# KiCad board fairyboard.kicad_pcb (continued)
## Routing (per net, layer and track width the routed paths; a pad name or vN(x,y) marks a point on that pad's centre or on a via; arc(x,y) is an arc through that point) (continued)
  Bottom w0.25: S58.2 70.73,34.95 arc(71.12,35.31) 71.35,35.79 S18.1 75.07,50.73 arc(75.1,51.26) 74.92,51.76 72.87,55.18 arc(72.69,55.68) 72.71,56.21 76.47,71.26 arc(76.49,71.79) 76.31,72.29 75.44,73.74 arc(75.09,74.13) 74.61,74.36 67.89,76.03 arc(67.41,76.26) 67.05,76.65 62.84,83.66 arc(62.78,84.04) 63.01,84.35 63.54,84.67 arc(63.93,85.03) 64.16,85.51 S10.1 67.91,100.54 arc(67.93,101.07) 67.76,101.57 67.44,102.1 arc(67.38,102.48) 67.61,102.78 68.14,103.1 arc(68.53,103.46) 68.76,103.94 S11.1 76.06,112.07 arc(76.56,112.25) 77.09,112.23 119.01,101.77 arc(119.53,101.57) 119.98,101.23 125.79,95.42 arc(126.23,95.13) 126.75,95.02 130.82,95.02 arc(131.34,94.92) 131.78,94.62 133.07,93.34 arc(133.36,92.9) 133.47,92.37 133.47,91.58 arc(133.57,91.05) 133.86,90.61 143.05,81.43 arc(143.49,81.13) 144.01,81.03 NOREF.7 ; v1(167.66,88.99) 167.22,89.42 arc(166.78,89.72) 166.26,89.82 153.98,89.82 arc(153.46,89.72) 153.02,89.42 v1(148.95,85.35) ; S34.1 208.01,101.04 arc(208.37,101.44) 208.85,101.66 S31.1 222.98,100.51 arc(223.01,99.98) 222.83,99.48 S71.2 224.9,87.89 arc(225.13,87.41) 225.52,87.06 S30.1 227.58,82.08 arc(227.6,81.55) 227.43,81.05 S70.2 225.52,77.87 arc(225.34,77.37) 225.36,76.84 231.09,53.86 arc(231.12,53.33) 230.94,52.83 225.6,43.94 arc(225.24,43.55) 224.76,43.32 223.51,43.01 arc(223.03,42.78) 222.68,42.39 S38.1 220.39,32.36 arc(220.42,31.83) 220.24,31.33 S78.2 ; S34.1 202.02,97.05 arc(201.52,97.23) 200.99,97.2 v1(193.02,95.21) ; S34.1 205.76,91.06 arc(205.78,90.53) 205.6,90.03 S74.2
COL5: length 293.4
  Top w0.25: NOREF.8 145.76,79.12 arc(146.2,79.42) 146.72,79.52 157.39,79.52 arc(157.48,79.5) 157.55,79.45 v1(157.62,79.39)
  Bottom w0.25: S59.2 90.61,29.08 arc(91.09,29.31) 91.45,29.7 S19.1 89.19,41.34 arc(88.83,41.73) 88.35,41.96 82.24,43.49 arc(81.76,43.71) 81.4,44.1 75.19,54.45 arc(75.01,54.95) 75.03,55.48 75.08,55.66 arc(75.3,56.14) 75.69,56.5 76.17,56.78 arc(76.56,57.14) 76.79,57.62 77.75,61.48 arc(77.78,62.01) 77.6,62.51 77.31,62.98 arc(77.13,63.48) 77.16,64.01 79.67,74.1 arc(79.9,74.58) 80.29,74.93 80.77,75.22 arc(81.16,75.58) 81.39,76.06 82.35,79.91 arc(82.37,80.44) 82.19,80.94 81.91,81.42 arc(81.73,81.92) 81.75,82.45 84.27,92.53 arc(84.5,93.01) 84.89,93.37 85.36,93.66 arc(85.76,94.01) 85.98,94.49 S14.1 97.69,105.27 arc(98.19,105.45) 98.72,105.42 117.24,100.8 arc(117.76,100.6) 118.2,100.26 123.49,94.97 arc(123.93,94.68) 124.45,94.57 130.63,94.57 arc(131.15,94.47) 131.59,94.17 132.62,93.15 arc(132.91,92.71) 133.02,92.19 133.02,91.16 arc(133.12,90.64) 133.41,90.2 NOREF.8 ; 201.66,20.42 201.91,21.43 arc(201.94,21.97) 201.76,22.47 S39.1 199.29,27.17 arc(199.26,27.7) 199.44,28.2 205.71,38.63 arc(206.06,39.03) 206.54,39.25 216.28,41.68 arc(216.76,41.91) 217.12,42.3 217.82,43.47 arc(218,43.97) 217.98,44.5 216.51,50.36 arc(216.29,50.84) 215.89,51.2 S72.2 214.8,53.16 arc(214.98,53.66) 214.95,54.19 S32.1 212.89,59.17 arc(212.5,59.53) 212.27,60.01 S73.2 210.2,71.6 arc(210.38,72.1) 210.35,72.63 S33.1 206.85,78.48 arc(206.35,78.66) 205.82,78.63 189.41,74.54 arc(189.19,74.45) 188.99,74.3 arc(188.8,74.17) 188.57,74.13 164.41,74.13 arc(163.89,74.23) 163.45,74.53 161.14,76.83 arc(160.76,77.08) 160.32,77.17 arc(159.87,77.26) 159.49,77.52 v1(157.62,79.39)
COL6: length 261
  Top w0.25: v1(148.99,75.59) 148.81,75.77 arc(148.61,75.9) 148.37,75.95 NOREF.9 142.9,75.95 arc(142.38,76.05) 141.94,76.35 v1(137.29,81) ; v1(158.93,74.51) 150.64,74.51 arc(150.55,74.49) 150.47,74.44 v1(150.4,74.37)
  Bottom w0.25: S60.2 108.16,17.84 arc(108.68,17.93) 109.13,18.2 S20.1 113.36,24.96 arc(113.35,25.44) 113.09,25.85 98.25,39.08 arc(98.24,39.1) 98.24,39.13 arc(98.24,39.16) 98.23,39.18 S55.2 93.54,51.16 arc(93.76,51.64) 94.15,52 94.63,52.29 arc(95.02,52.64) 95.25,53.12 95.34,53.48 arc(95.37,54.01) 95.19,54.51 94.9,54.99 arc(94.72,55.49) 94.75,56.02 97.26,66.1 arc(97.49,66.58) 97.88,66.94 98.36,67.23 arc(98.75,67.58) 98.98,68.06 S16.1 102.72,83.1 arc(102.75,83.63) 102.57,84.13 102.25,84.66 arc(102.19,85.04) 102.42,85.34 102.95,85.66 arc(103.35,86.02) 103.57,86.5 S17.1 105.28,93.35 arc(105.51,93.83) 105.9,94.18 110.23,96.79 arc(110.73,96.97) 111.26,96.94 123.28,93.95 arc(123.8,93.74) 124.24,93.4 136.42,81.23 arc(136.67,81.06) 136.97,81 v1(137.29,81) ; v1(150.4,74.37) 150.31,74.37 arc(150.22,74.38) 150.14,74.43 v1(148.99,75.59) ; v1(158.93,74.51) 159.02,74.6 arc(159.12,74.66) 159.23,74.68 160.58,74.68 arc(161.1,74.58) 161.55,74.29 165.36,70.47 arc(165.8,70.17) 166.32,70.07 190.07,70.07 arc(190.59,69.97) 191.03,69.67 S36.1 192.76,64.64 arc(192.79,64.11) 192.61,63.61 S76.2 194.68,52.02 arc(194.91,51.54) 195.3,51.18 S35.1 197.36,46.2 arc(197.39,45.67) 197.21,45.17 S75.2 198.15,38.12 arc(198.15,37.62) 197.92,37.16 188.05,25.66 arc(187.69,25.21) 187.37,24.72 182.41,16.47 arc(182.23,15.97) 182.26,15.44 S40.1 186.7,7.84 arc(187.01,7.41) 187.13,6.89 S80.2
D0: length 64.9
  Top w0.25: NOREF.23 157.02,95.47 arc(156.73,95.03) 156.63,94.51 v1(156.63,81.1)
  Bottom w0.25: v1(156.63,81.1) 156.62,81.1 arc(156.62,81.1) 156.62,81.1 156.62,71.37 156.62,70.37 156.62,68.39 arc(156.73,67.87) 157.02,67.43 157.47,66.98 arc(157.62,66.63) 157.47,66.28 155.28,64.08 arc(154.83,63.79) 154.31,63.68 142.83,63.68 arc(142.31,63.79) 141.87,64.08 141.33,64.62 arc(140.89,64.91) 140.37,65.02 131.55,65.02 arc(131.37,64.98) 131.22,64.88 arc(131.09,64.83) 130.95,64.88 TERMINAL1.4
D1: length 50.1
  Top w0.25: v1(140.83,78.88) 140.83,90.53 arc(140.93,91.05) 141.22,91.49 141.7,91.96 arc(142.14,92.26) 142.66,92.36 153.18,92.36 arc(153.71,92.47) 154.15,92.76 v1(155.61,94.22) ; v1(139.01,77.83) 139.03,77.81 arc(139.04,77.78) 139.05,77.76 v1(139.05,76.09) ; TERMINAL1.5 138.88,73.76 arc(138.91,73.78) 138.95,73.79 v1(138.99,73.79)
  Bottom w0.25: NOREF.22 158.72,94.62 arc(158.28,94.33) 157.75,94.22 v1(155.61,94.22) ; v1(140.83,78.88) 140.04,78.1 arc(139.74,77.9) 139.39,77.83 v1(139.01,77.83) ; v1(139.05,76.09) 139.02,76.06 arc(138.99,76.03) 138.99,75.99 v1(138.99,73.79)
D2: length 41.4
  Top w0.25: DISP1.1 146.84,65.8 arc(146.4,65.51) 145.88,65.4 136.07,65.4 arc(135.55,65.51) 135.11,65.8 TERMINAL1.6
  Bottom w0.25: NOREF.19 151.94,80.23 arc(151.65,79.78) 151.54,79.26 151.54,71.07 arc(151.44,70.55) 151.15,70.11 DISP1.1
D3: length 38.6
  Top w0.25: v1(138.14,68.38) 136.98,67.23 arc(136.87,67.06) 136.82,66.85 TERMINAL1.7 ; DISP1.2 148.86,67.97 arc(148.42,68.27) 147.9,68.37 v1(145.05,68.37)
  Bottom w0.25: DISP1.2 153.69,70.11 arc(153.98,70.55) 154.08,71.07 154.08,79.26 arc(154.19,79.78) 154.48,80.23 NOREF.18 ; v1(138.14,68.38) 145.03,68.38 arc(145.04,68.38) 145.04,68.38 v1(145.05,68.37)
D4: length 30
  Top w0.25: TERMINAL1.8 139.36,67.34 arc(139.47,67.86) 139.76,68.3 143.3,71.83 arc(143.74,72.13) 144.26,72.23 146.24,72.23 arc(146.76,72.34) 147.21,72.63 152.7,78.13 arc(153.14,78.42) 153.66,78.52 157.54,78.52 arc(158.06,78.63) 158.51,78.92 158.79,79.21 arc(159.09,79.65) 159.19,80.17 159.19,81.83 arc(159.29,82.35) 159.59,82.79 NOREF.17
D5: length 16.6
  Bottom w0.25: NOREF.24 NOREF.27 158.9,69.79 arc(159.34,69.5) 159.86,69.39 160.26,69.39 arc(160.78,69.5) 161.23,69.79 161.46,70.03 arc(161.9,70.32) 162.42,70.43 163.3,70.43 arc(163.82,70.32) 164.26,70.03 165.79,68.5 arc(166.08,68.06) 166.18,67.54 TERMINAL2.1
D6: length 20.8
  Top w0.25: NOREF.28 156.37,69.78 arc(156.81,69.49) 157.33,69.38 160.32,69.38 arc(160.72,69.31) 161.05,69.08 arc(161.38,68.86) 161.77,68.78 167.21,68.78 arc(167.21,68.78) 167.21,68.79 v1(167.22,68.79)
  Bottom w0.25: v1(167.22,68.79) 167.56,68.79 arc(167.88,68.72) 168.15,68.54 168.33,68.37 arc(168.62,67.93) 168.72,67.41 TERMINAL2.2 ; NOREF.25 NOREF.28
D7: length 25.1
  Top w0.25: TERMINAL2.3 170.23,67.66 arc(169.79,67.96) 169.27,68.06 162,68.06 arc(161.48,68.17) 161.03,68.46 160.96,68.53 arc(160.52,68.83) 160,68.93 155.24,68.93 arc(154.72,69.04) 154.28,69.33 NOREF.29
  Bottom w0.25: NOREF.26 NOREF.29
D8: length 26.1
  Top w0.25: v1(163.56,65.75) 163.54,65.75 arc(163.53,65.75) 163.52,65.76 161.82,67.46 arc(161.65,67.57) 161.46,67.61 arc(161.26,67.65) 161.1,67.76 160.77,68.08 arc(160.33,68.38) 159.81,68.48 153.15,68.48 arc(152.63,68.59) 152.19,68.88 NOREF.30
  Bottom w0.25: TERMINAL2.4 172.98,65.8 arc(172.54,65.51) 172.02,65.4 164.14,65.4 arc(163.92,65.45) 163.73,65.58 v1(163.56,65.75)
D9: length 31.5
  Top w0.25: NOREF.31 150.23,68.3 arc(150.67,68.01) 151.19,67.9 159.35,67.9 arc(159.87,67.8) 160.32,67.5 162.4,65.42 arc(162.85,65.12) 163.37,65.02 174.17,65.02 arc(174.69,65.12) 175.13,65.42 TERMINAL2.5
index_bottom: length 13
  Bottom w0.25: S52.1 90.35,53.96 arc(90.39,54) 90.42,54.05 90.52,54.48 91.75,59.41 arc(91.78,59.94) 91.6,60.44 S12.2
index_home: length 13
  Bottom w0.25: S53.1 94.95,72.4 arc(94.99,72.44) 95.01,72.49 95.12,72.91 96.35,77.85 arc(96.37,78.38) 96.2,78.88 S13.2
index_top: length 13
  Bottom w0.25: S54.1 99.54,90.83 arc(99.59,90.87) 99.61,90.92 99.72,91.35 100.95,96.28 arc(100.97,96.81) 100.79,97.31 S14.2
inner_bottom: length 13
  Bottom w0.25: S55.1 107.94,45.97 arc(107.98,46.01) 108.01,46.06 108.11,46.48 109.34,51.42 arc(109.37,51.95) 109.19,52.45 S15.2
inner_home: length 13
  Bottom w0.25: S56.1 112.53,64.4 arc(112.58,64.44) 112.6,64.5 113.94,69.85 arc(113.96,70.38) 113.78,70.88 S16.2
inner_thumb: length 13
  Bottom w0.25: S60.1 113.35,7.97 arc(113.4,8.01) 113.46,8.01 D20.2 122.65,11.56 arc(122.96,11.99) 123.08,12.5 S20.2
inner_top: length 13
  Bottom w0.25: S17.2 118.38,89.32 arc(118.56,88.82) 118.53,88.29 117.25,83.16 117.2,82.93 arc(117.17,82.88) 117.13,82.84 S57.1
middle_bottom: length 13
  Bottom w0.25: S9.2 74.37,69.89 arc(74.55,69.39) 74.53,68.86 73.23,63.65 73.19,63.5 arc(73.17,63.45) 73.12,63.41 S49.1
middle_home: length 13
  Bottom w0.25: S50.1 77.72,81.84 arc(77.76,81.88) 77.79,81.94 77.89,82.36 79.12,87.29 arc(79.15,87.82) 78.97,88.32 S10.2
middle_thumb: length 13
  Bottom w0.25: S59.1 103.41,22.31 arc(103.49,22.35) 103.55,22.42 103.89,22.99 106.37,27.11 arc(106.55,27.61) 106.52,28.14 S19.2
middle_top: length 13
  Bottom w0.25: S11.2 83.57,106.76 arc(83.75,106.26) 83.72,105.73 82.43,100.56 82.38,100.37 arc(82.36,100.32) 82.32,100.28 S51.1
mirror_index_bottom: length 13
  Bottom w0.25: S72.1 228.64,57.33 arc(228.66,57.38) 228.66,57.44 228.55,57.86 227.32,62.8 arc(227.09,63.28) 226.7,63.63 S32.2
mirror_index_home: length 13
  Bottom w0.25: S33.2 222.11,82.07 arc(222.5,81.71) 222.72,81.23 224.02,76.03 224.06,75.88 arc(224.06,75.82) 224.04,75.76 S73.1
mirror_index_top: length 13
  Bottom w0.25: S34.2 217.51,100.51 arc(217.9,100.15) 218.13,99.67 219.42,94.5 219.46,94.31 arc(219.47,94.25) 219.45,94.2 S74.1
mirror_inner_bottom: length 13
  Bottom w0.25: S75.1 211.05,49.33 arc(211.07,49.39) 211.07,49.45 210.96,49.87 209.73,54.8 arc(209.51,55.28) 209.11,55.64 S35.2
mirror_inner_home: length 13
  Bottom w0.25: S36.2 204.52,74.08 arc(204.91,73.72) 205.14,73.24 206.41,68.14 206.47,67.88 arc(206.47,67.82) 206.45,67.77 S76.1
mirror_inner_thumb: length 13
  Bottom w0.25: S40.2 191.41,22.16 arc(191.93,22.07) 192.38,21.79 196.23,18.21 196.42,18.03 arc(196.46,17.98) 196.47,17.92 S80.1
mirror_inner_top: length 13
  Bottom w0.25: S37.2 199.92,92.51 arc(200.31,92.16) 200.54,91.68 201.8,86.62 201.87,86.32 arc(201.88,86.26) 201.86,86.2 S77.1
mirror_middle_bottom: length 13
  Bottom w0.25: S29.2 243.93,73.08 arc(244.32,72.73) 244.55,72.24 245.85,67.04 245.88,66.89 arc(245.89,66.83) 245.87,66.77 S69.1
mirror_middle_home: length 13
  Bottom w0.25: S30.2 239.33,91.52 arc(239.72,91.16) 239.95,90.68 241.25,85.47 241.29,85.32 arc(241.29,85.26) 241.27,85.21 S70.1
mirror_middle_thumb: length 13
  Bottom w0.25: S79.1 214.03,29.35 arc(214.03,29.44) 214,29.52 213.67,30.1 211.26,34.27 arc(210.91,34.67) 210.44,34.9 S39.2
mirror_middle_top: length 13
  Bottom w0.25: S71.1 236.67,103.64 arc(236.69,103.7) 236.69,103.76 236.58,104.18 235.35,109.12 arc(235.13,109.6) 234.73,109.95 S31.2
mirror_outer_home: length 13
  Bottom w0.25: S21.2 298.39,90.27 arc(298.78,89.91) 299.01,89.43 300.31,84.21 300.34,84.07 arc(300.35,84.01) 300.33,83.96 S61.1
mirror_outer_thumb: length 13
  Bottom w0.25: S78.1 234.08,35.49 arc(234.1,35.55) 234.1,35.61 233.99,36.03 232.76,40.97 arc(232.54,41.45) 232.14,41.8 S38.2
mirror_outer_top: length 13
  Bottom w0.25: S22.2 293.79,108.7 arc(294.18,108.35) 294.41,107.87 D22.2 293.05,98.11 arc(293.03,98.05) 293.03,97.99 S62.1
mirror_pinky_bottom: length 13
  Bottom w0.25: S23.2 284.06,69.18 arc(284.46,68.82) 284.68,68.34 285.97,63.17 286.02,62.98 arc(286.02,62.92) 286,62.87 S63.1
mirror_pinky_home: length 13
  Bottom w0.25: S64.1 281.41,81.3 arc(281.43,81.36) 281.42,81.42 281.32,81.84 280.09,86.77 arc(279.86,87.25) 279.47,87.61 S24.2
mirror_pinky_top: length 13
  Bottom w0.25: S65.1 276.81,99.74 arc(276.83,99.79) 276.83,99.85 276.72,100.28 275.49,105.21 arc(275.26,105.69) 274.87,106.05 S25.2
mirror_ring_bottom: length 13
  Bottom w0.25: S26.2 263.09,74.77 arc(263.48,74.41) 263.71,73.93 264.97,68.88 265.04,68.57 arc(265.05,68.51) 265.03,68.46 S66.1
mirror_ring_home: length 13
  Bottom w0.25: S27.2 258.49,93.2 arc(258.89,92.85) 259.11,92.37 260.41,87.17 260.45,87.01 arc(260.45,86.95) 260.43,86.89 S67.1
mirror_ring_top: length 13
  Bottom w0.25: S28.2 253.9,111.64 arc(254.29,111.28) 254.52,110.8 255.75,105.87 255.85,105.44 arc(255.85,105.39) 255.83,105.33 S68.1
outer_home: length 13
  Bottom w0.25: S41.1 18.66,80.59 arc(18.71,80.63) 18.73,80.69 18.84,81.11 20.07,86.04 arc(20.09,86.57) 19.91,87.07 S1.2
outer_thumb: length 13
  Bottom w0.25: S18.2 86.16,38.61 arc(86.34,38.11) 86.31,37.58 85.08,32.65 84.97,32.22 arc(84.95,32.17) 84.91,32.13 S58.1
outer_top: length 13
  Bottom w0.25: S42.1 23.26,99.03 arc(23.3,99.07) 23.33,99.12 23.43,99.55 24.66,104.48 arc(24.69,105.01) 24.51,105.51 S2.2
pinky_bottom: length 13
  Bottom w0.25: S43.1 32.99,59.5 arc(33.03,59.54) 33.05,59.6 34.39,64.95 arc(34.42,65.48) 34.24,65.98 S3.2
pinky_home: length 13
  Bottom w0.25: S44.1 37.58,77.94 arc(37.63,77.98) 37.65,78.03 37.76,78.46 38.99,83.39 arc(39.01,83.92) 38.83,84.42 S4.2
pinky_top: length 13
  Bottom w0.25: S5.2 43.43,102.85 arc(43.61,102.35) 43.58,101.82 D5.2 37.8,93.85 arc(37.76,93.81) 37.73,93.75 S45.1
RAW: length 72.3
  Top w0.25: v1(168.98,97.18) 167.82,97.18 arc(167.3,97.29) 166.86,97.58 164.15,100.28 arc(163.71,100.58) 163.19,100.68 147.56,100.68 arc(147.04,100.58) 146.6,100.28 NOREF.0 136.09,89.78 arc(135.8,89.34) 135.7,88.82 135.7,81.3 arc(135.59,80.78) 135.3,80.34 TERMINAL1.1 ; T1.1 171.72,97.37 arc(171.55,97.25) 171.34,97.21 v1(171.12,97.21)
  Bottom w0.25: v1(168.98,97.18) 171.06,97.18 arc(171.08,97.19) 171.1,97.2 v1(171.12,97.21)
ring_bottom: length 13
  Bottom w0.25: S46.1 53.96,65.09 arc(54,65.13) 54.03,65.19 54.14,65.61 55.37,70.54 arc(55.39,71.07) 55.21,71.57 S6.2
ring_home: length 13
  Bottom w0.25: S47.1 58.56,83.53 arc(58.6,83.57) 58.63,83.62 58.73,84.05 59.96,88.98 arc(59.99,89.51) 59.81,90.01 S7.2
ring_top: length 13
  Bottom w0.25: S8.2 64.4,108.44 arc(64.58,107.95) 64.56,107.41 63.33,102.48 63.22,102.06 arc(63.2,102) 63.15,101.97 S48.1
ROW1: length 138.8
  Top w0.25: v1(99.64,85.56) 100.83,85.26 arc(101.31,85.04) 101.67,84.64 v1(104.27,80.31) ; v1(142.52,79.67) 142.61,79.76 arc(142.71,79.83) 142.83,79.85 145.16,79.85 arc(145.58,79.94) 145.93,80.17 arc(146.28,80.4) 146.69,80.49 153.66,80.49 arc(153.71,80.5) 153.76,80.53 v1(153.8,80.57) ; v1(157.35,84.24) 157.35,83.84 arc(157.42,83.47) 157.64,83.15 v1(158.2,82.59)
  Bottom w0.25: v1(157.35,84.24) 153.85,80.74 arc(153.82,80.69) 153.8,80.63 v1(153.8,80.57) ; v1(99.64,85.56) 99.28,85.65 arc(98.97,85.8) 98.73,86.05 98.71,86.09 arc(98.58,86.46) 98.59,86.85 D14.1 ; v1(104.27,80.31) 104.43,80.05 arc(104.63,79.83) 104.89,79.7 113.21,77.63 arc(113.74,77.6) 114.24,77.78 115.85,78.75 arc(116.14,79.02) 116.31,79.38 D17.1 142.31,79.79 arc(142.39,79.77) 142.46,79.73 v1(142.52,79.67) ; D34.1 220.35,90.75 arc(220.37,90.33) 220.23,89.95 219.41,88.58 arc(219.06,88.19) 218.58,87.96 203.78,84.27 arc(203.3,84.05) 202.95,83.66 D37.1 200.55,79.67 arc(200.2,79.28) 199.72,79.06 189.14,76.42 arc(188.64,76.42) 188.22,76.67 185.39,79.5 arc(184.95,79.79) 184.43,79.9 162.06,79.9 arc(161.54,80) 161.1,80.3 NOREF.16 159.02,82.38 arc(158.78,82.54) 158.5,82.59 v1(158.2,82.59)
ROW2: length 171.4
  Top w0.25: v1(83.95,86.79) 83.95,86.8 arc(83.95,86.8) 83.95,86.8 v1(82.61,89.03) ; v1(47,95.82) 44.87,94.54 arc(44.75,94.5) 44.62,94.5 v1(44.49,94.54) ; v1(26.48,94.65) 28.06,94.25 arc(28.18,94.2) 28.26,94.11 v1(28.33,93.99) ; v1(95.6,62.92) 95.78,62.63 arc(95.99,62.39) 96.28,62.26 97.47,61.96 arc(97.48,61.95) 97.5,61.94 v1(97.51,61.92) ; v1(119.92,71.97) 119.29,72.59 arc(118.85,72.89) 118.33,72.99 v1(117.27,72.99) ; v1(66.34,97.95) v1(68.31,97.46)
  Bottom w0.25: D11.1 81.44,96.58 arc(81.21,96.1) 80.82,95.74 79.6,95.01 ; v1(95.6,62.92) 93.79,65.94 arc(93.61,66.44) 93.64,66.97 D13.1 95.14,69.89 arc(95.53,70.25) 95.76,70.73 97.95,79.54 arc(97.98,80.07) 97.8,80.57 97.27,81.45 arc(96.91,81.84) 96.43,82.07 85.63,84.76 arc(85.15,84.99) 84.8,85.38 v1(83.95,86.79) ; 79.47,94.27 v1(82.61,89.03) ; 79.47,94.27 arc(79.39,94.69) 79.6,95.01 ; 79.47,94.27 arc(79.11,94.66) 78.63,94.89 ; v1(28.33,93.99) 28.58,93.58 arc(28.88,93.24) 29.29,93.05 37.99,90.88 arc(38.52,90.85) 39.02,91.03 40.79,92.1 arc(41.14,92.42) 41.34,92.84 41.37,92.97 arc(41.54,93.19) 41.82,93.24 arc(42.17,93.22) 42.5,93.34 v1(44.49,94.54) ; NOREF.10 144.93,73.21 arc(144.71,73.06) 144.45,73.01 132.75,73.01 arc(132.23,72.91) 131.79,72.61 131.54,72.37 arc(131.1,72.08) 130.58,71.97 v1(119.92,71.97) ; 79.6,95.01 arc(79.14,94.85) 78.63,94.89 ; v1(47,95.82) 48.33,96.62 arc(48.83,96.8) 49.36,96.77 56.31,95.04 arc(56.84,95.02) 57.34,95.2 61.9,97.94 arc(62.18,98.19) 62.34,98.53 arc(62.52,98.77) 62.83,98.82 66.32,97.95 arc(66.33,97.95) 66.33,97.95 v1(66.34,97.95) ; D2.1 26,95.12 arc(26.21,95.02) 26.36,94.85 v1(26.48,94.65) ; v1(117.27,72.99) 117.11,72.99 arc(116.97,72.96) 116.85,72.88 115.61,71.65 arc(115.6,71.64) 115.6,71.62 ; 78.63,94.89 v1(68.31,97.46) ; 115.6,71.6 113.4,62.77 arc(113.17,62.29) 112.78,61.93 D16.1 111.7,60.88 arc(111.5,60.45) 111.16,60.14 109.67,59.25 arc(109.17,59.07) 108.64,59.09 97.58,61.85 arc(97.55,61.87) 97.53,61.89 v1(97.51,61.92)
ROW3: length 204.1
  Top w0.25: v1(152.27,78.8) 151.18,77.71 arc(150.74,77.42) 150.22,77.31 143.46,77.31 arc(143.32,77.29) 143.2,77.21 v1(143.1,77.1) ; v1(23.71,76.08) 26.63,75.35 arc(26.69,75.32) 26.73,75.27 v1(26.77,75.21) ; v1(49.71,76.7) 50.15,76.96 arc(50.16,76.98) 50.17,76.99 arc(50.18,77.01) 50.19,77.02 v1(52.2,78.23) ; v1(77.89,71.8) 80.08,68.15 arc(80.44,67.76) 80.92,67.53 88.49,65.64 arc(88.97,65.42) 89.32,65.03 92.71,59.38 arc(92.89,58.89) 92.87,58.36 91.24,51.82 arc(91.22,51.79) 91.19,51.76 v1(91.15,51.74) 91,51.12 arc(90.98,50.59) 91.15,50.09 95.21,43.35 arc(95.56,42.95) 96.04,42.73 v1(105.14,40.46) ; v1(67.52,77.86) v1(64.5,78.61) ; v1(153.31,77.61) 158.92,77.61 arc(159.45,77.72) 159.89,78.01 NOREF.15
  Bottom w0.25: v1(52.2,78.23) 53.9,77.8 arc(54.43,77.78) 54.93,77.96 57.21,79.33 arc(57.54,79.63) 57.73,80.03 arc(57.94,80.31) 58.3,80.37 64.21,78.89 arc(64.33,78.84) 64.42,78.74 v1(64.5,78.61) ; D1.1 23.66,76.12 arc(23.68,76.11) 23.7,76.1 v1(23.71,76.08) ; v1(153.31,77.61) 152.32,78.6 arc(152.28,78.65) 152.27,78.72 v1(152.27,78.8) ; v1(77.89,71.8) 76.32,74.41 arc(76.14,74.91) 76.17,75.44 76.94,78.54 76.88,78.28 arc(76.66,77.82) 76.29,77.48 74.64,76.49 arc(74.14,76.32) 73.61,76.34 v1(67.52,77.86) ; v1(26.77,75.21) 26.99,75.15 arc(27.18,75.06) 27.32,74.91 27.58,74.48 arc(27.94,74.09) 28.42,73.86 32.95,72.73 arc(33.48,72.71) 33.98,72.88 36.65,74.49 arc(36.76,74.59) 36.83,74.73 arc(36.89,74.87) 37.01,74.97 42.29,78.14 arc(42.79,78.32) 43.32,78.3 v1(49.71,76.7) ; v1(91.15,51.74) 91.1,51.75 arc(91.05,51.75) 91,51.73 D12.1 ; v1(143.1,77.1) 133.57,77.1 arc(133.05,77) 132.61,76.7 130.03,74.12 arc(129.59,73.83) 129.07,73.72 119.67,73.72 arc(119.15,73.62) 118.71,73.32 117.05,71.67 arc(117.05,71.66) 117.05,71.66 arc(117.05,71.65) 117.04,71.65 116.16,70.76 arc(115.82,70.32) 115.61,69.8 113.86,62.77 arc(113.8,62.44) 113.78,62.12 arc(113.7,61.83) 113.5,61.61 113.2,61.44 arc(112.81,61.08) 112.58,60.6 108.48,44.14 arc(108.25,43.66) 107.86,43.3 D15.1 107,42.04 arc(106.78,41.56) 106.38,41.2 v1(105.14,40.46)
ROW4: length 227.9
  Top w0.25: 87.73,36.06 87.73,36.06 ; 87.73,36.06 v1(86.44,30.9) ; 87.73,36.06 arc(87.73,36.06) 87.73,36.06 ; 87.73,36.06 arc(87.73,36.06) 87.73,36.06 ; 87.73,36.06 arc(87.73,36.06) 87.73,36.06 arc(87.73,36.07) 87.73,36.07 87.73,36.07 arc(87.73,36.07) 87.73,36.07 arc(87.73,36.07) 87.73,36.07 87.74,36.08 arc(87.75,36.1) 87.76,36.12 95.09,40.52 arc(95.59,40.7) 96.12,40.68 103.2,38.91 arc(103.73,38.89) 104.23,39.06 109.58,42.28 arc(109.97,42.63) 110.2,43.11 116.96,70.23 arc(116.96,70.24) 116.97,70.24 arc(116.99,70.25) 117,70.25 v1(117.07,70.32) ; NOREF.13 149.35,73.41 arc(149.27,73.39) 149.2,73.35 v1(149.14,73.29) ; v1(130.21,73.27) 131.12,74.18 arc(131.56,74.48) 132.08,74.58 147.45,74.58 arc(147.53,74.57) 147.6,74.52 147.6,74.51 arc(147.66,74.48) 147.73,74.46 147.74,74.46 arc(147.8,74.47) 147.85,74.51 v1(147.9,74.55) ; v1(71.82,57.74) 75.64,51.39 arc(76,50.99) 76.48,50.77 78.77,50.2 arc(79.25,49.97) 79.61,49.58 87.73,36.06
  Bottom w0.25: v1(130.21,73.27) 120.58,73.27 arc(120.06,73.17) 119.62,72.87 v1(117.07,70.32) ; v1(149.14,73.29) 147.9,74.52 arc(147.9,74.53) 147.9,74.54 v1(147.9,74.55) ; v1(71.82,57.74) 71.8,57.78 arc(71.78,57.82) 71.79,57.87 72.35,60.13 72.29,59.89 arc(72.1,59.49) 71.77,59.18 70.18,58.23 arc(69.68,58.05) 69.15,58.08 D6.1 53.06,61.29 arc(52.83,60.81) 52.44,60.46 50.63,59.37 arc(50.13,59.19) 49.6,59.21 38.53,61.97 arc(38,62) 37.5,61.82 36.36,61.13 arc(35.97,60.77) 35.74,60.29 35.36,58.77 arc(35.13,58.29) 34.74,57.94 D3.1 ; v1(86.44,30.9) 86.38,30.62 arc(86.26,30.39) 86.07,30.21 D18.1 85.12,28.85 arc(85.6,28.62) 85.96,28.23 88.26,24.4 arc(88.26,24.4) 88.27,24.39 arc(88.27,24.39) 88.28,24.39 98.96,18.43 arc(99.44,18.31) 99.91,18.45 D19.1 109.96,6.27 arc(110.32,5.88) 110.8,5.66 114.19,4.81 arc(114.72,4.78) 115.22,4.96 D20.1
ROW5: length 215.2
  Top w0.25: v1(162.82,69.7) 178.13,69.7 arc(178.65,69.6) 179.09,69.3 v1(181.28,67.12) ; v1(160.88,65.14) 159.83,64.09 arc(159.39,63.8) 158.86,63.69 145.2,63.69 arc(144.68,63.8) 144.24,64.09 v1(143.73,64.6) ; v1(238.89,99.08) 240.6,99.5 arc(241.13,99.53) 241.63,99.35 v1(245.67,96.92) ; v1(266.51,90.88) 260.35,94.58 arc(259.95,94.94) 259.73,95.42 v1(259.21,97.47) ; v1(195.94,59.08) 192.94,60.89 arc(192.54,61.24) 192.32,61.72 191.1,66.61 arc(190.86,66.97) 190.45,67.12 189.89,67.12 arc(189.87,67.11) 189.86,67.1 v1(189.84,67.09) ; v1(210.09,65.28) 211.89,65.73 arc(211.93,65.73) 211.98,65.72 v1(212.02,65.69) ; v1(223.7,89.12) 225.36,89.54 arc(225.39,89.54) 225.41,89.53 v1(225.44,89.52) ; v1(278.92,95.33) 281.18,95.89 arc(281.71,95.92) 282.21,95.74 v1(285.52,93.75) ; v1(143.55,66.23) 143.55,68.73 arc(143.65,69.25) 143.94,69.69 NOREF.11
  Bottom w0.25: v1(238.89,99.08) 238.03,99.59 arc(237.74,99.86) 237.57,100.21 237.54,100.37 arc(237.55,100.13) 237.46,99.9 232.54,91.7 arc(232.18,91.31) 231.7,91.08 v1(225.44,89.52) ; v1(266.51,90.88) 275.45,93.11 arc(275.93,93.34) 276.29,93.73 277.6,95.92 arc(277.69,96.17) 277.68,96.44 277.7,96.36 arc(277.84,96.05) 278.1,95.82 v1(278.92,95.33) ; v1(285.52,93.75) 294.57,96 arc(295.05,96.23) 295.4,96.62 296.52,98.48 arc(296.62,98.76) 296.61,99.06 D22.1 ; v1(160.88,65.14) 161.13,65.14 arc(161.37,65.19) 161.57,65.32 162.9,66.65 arc(163.19,67.09) 163.3,67.62 163.3,69.19 arc(163.29,69.22) 163.27,69.25 v1(162.82,69.7) ; v1(195.94,59.08) 204.7,61.26 arc(205.18,61.49) 205.54,61.88 D36.1 209.79,65.37 arc(209.9,65.38) 210,65.34 v1(210.09,65.28) ; v1(181.28,67.12) 181.3,67.1 arc(181.31,67.09) 181.33,67.09 v1(189.84,67.09) ; v1(245.67,96.92) 245.89,96.79 arc(246.12,96.7) 246.37,96.71 254.69,98.79 arc(255.17,99.02) 255.53,99.41 256.62,101.23 arc(256.74,101.57) 256.73,101.93 256.71,102.02 257.46,98.99 arc(257.69,98.51) 258.08,98.16 v1(259.21,97.47) ; v1(143.55,66.23) 143.55,64.91 arc(143.57,64.79) 143.64,64.69 v1(143.73,64.6) ; v1(212.02,65.69) 221.58,68.08 arc(222.06,68.3) 222.42,68.7 D33.1 225.31,73.52 arc(225.49,74.02) 225.47,74.55 222.52,86.38 arc(222.49,86.91) 222.67,87.41 v1(223.7,89.12)
ROW6: length 201.3
  Top w0.25: v1(284.79,75.45) v1(283.41,76.28) ; v1(281.65,76.83) 280.71,75.27 arc(280.36,74.88) 279.88,74.66 273.04,72.95 arc(272.51,72.93) 272.01,73.11 265.29,77.14 arc(264.9,77.5) 264.67,77.98 v1(264.09,80.33) ; v1(245.98,78.74) 243.92,79.98 arc(243.87,80.02) 243.85,80.08 v1(243.83,80.15) ; NOREF.14 164.26,72.06 arc(164.7,71.76) 165.22,71.66 183.39,71.66 arc(183.91,71.55) 184.35,71.26 190.71,64.9 arc(190.74,64.85) 190.75,64.79 arc(190.76,64.73) 190.77,64.66 191.99,59.78 arc(192.22,59.3) 192.61,58.94 v1(194.88,57.58) ; v1(229.86,55.8) 228.35,61.87 arc(228.32,62.4) 228.5,62.9 237.47,77.83 arc(237.83,78.23) 238.31,78.45 v1(240.34,78.96) ; v1(216.09,48.05) v1(217.89,48.5)
  Bottom w0.25: v1(283.41,76.28) 283,76.53 arc(282.66,76.84) 282.46,77.25 282.26,78.06 arc(282.27,77.84) 282.2,77.64 281.74,76.88 arc(281.72,76.85) 281.68,76.84 v1(281.65,76.83) ; v1(284.79,75.45) 286.43,74.46 arc(286.93,74.28) 287.46,74.31 299.35,77.27 arc(299.83,77.5) 300.19,77.89 301.11,79.43 arc(301.28,79.9) 301.26,80.41 D21.1 ; v1(240.34,78.96) 242.07,81.83 arc(242.11,81.94) 242.1,82.06 242.22,81.58 arc(242.45,81.1) 242.84,80.74 v1(243.83,80.15) ; v1(216.09,48.05) 216.08,48.04 arc(216.07,48.02) 216.05,48.01 212.76,47.19 arc(212.37,47.01) 212.08,46.69 D35.1 212.77,47.83 arc(212.95,48.33) 212.92,48.86 210.97,56.68 arc(210.75,57.16) 210.35,57.52 206.23,60 arc(205.73,60.17) 205.2,60.15 v1(194.88,57.58) ; v1(245.98,78.74) 247.34,77.92 arc(247.84,77.74) 248.37,77.77 259.79,80.61 arc(260.27,80.84) 260.62,81.23 261.23,82.23 arc(261.41,82.73) 261.38,83.26 261.3,83.58 261.63,82.28 arc(261.85,81.8) 262.25,81.44 v1(264.09,80.33) ; v1(217.89,48.5) 227.47,50.89 arc(227.95,51.12) 228.3,51.51 229.43,53.38 arc(229.53,53.67) 229.52,53.98 229.37,54.58 arc(229.36,54.85) 229.45,55.11 v1(229.86,55.8)
